# Altium PCB PCB2.PcbDoc
Units mm, origin at the board's own origin, x right, y up, seen from the top; angles counter-clockwise.
Board outline 99.06 x 99.06 mm, 2 copper layers (Top Layer, Bottom Layer); 120 components, 71 nets, 328 pads, 66 vias.
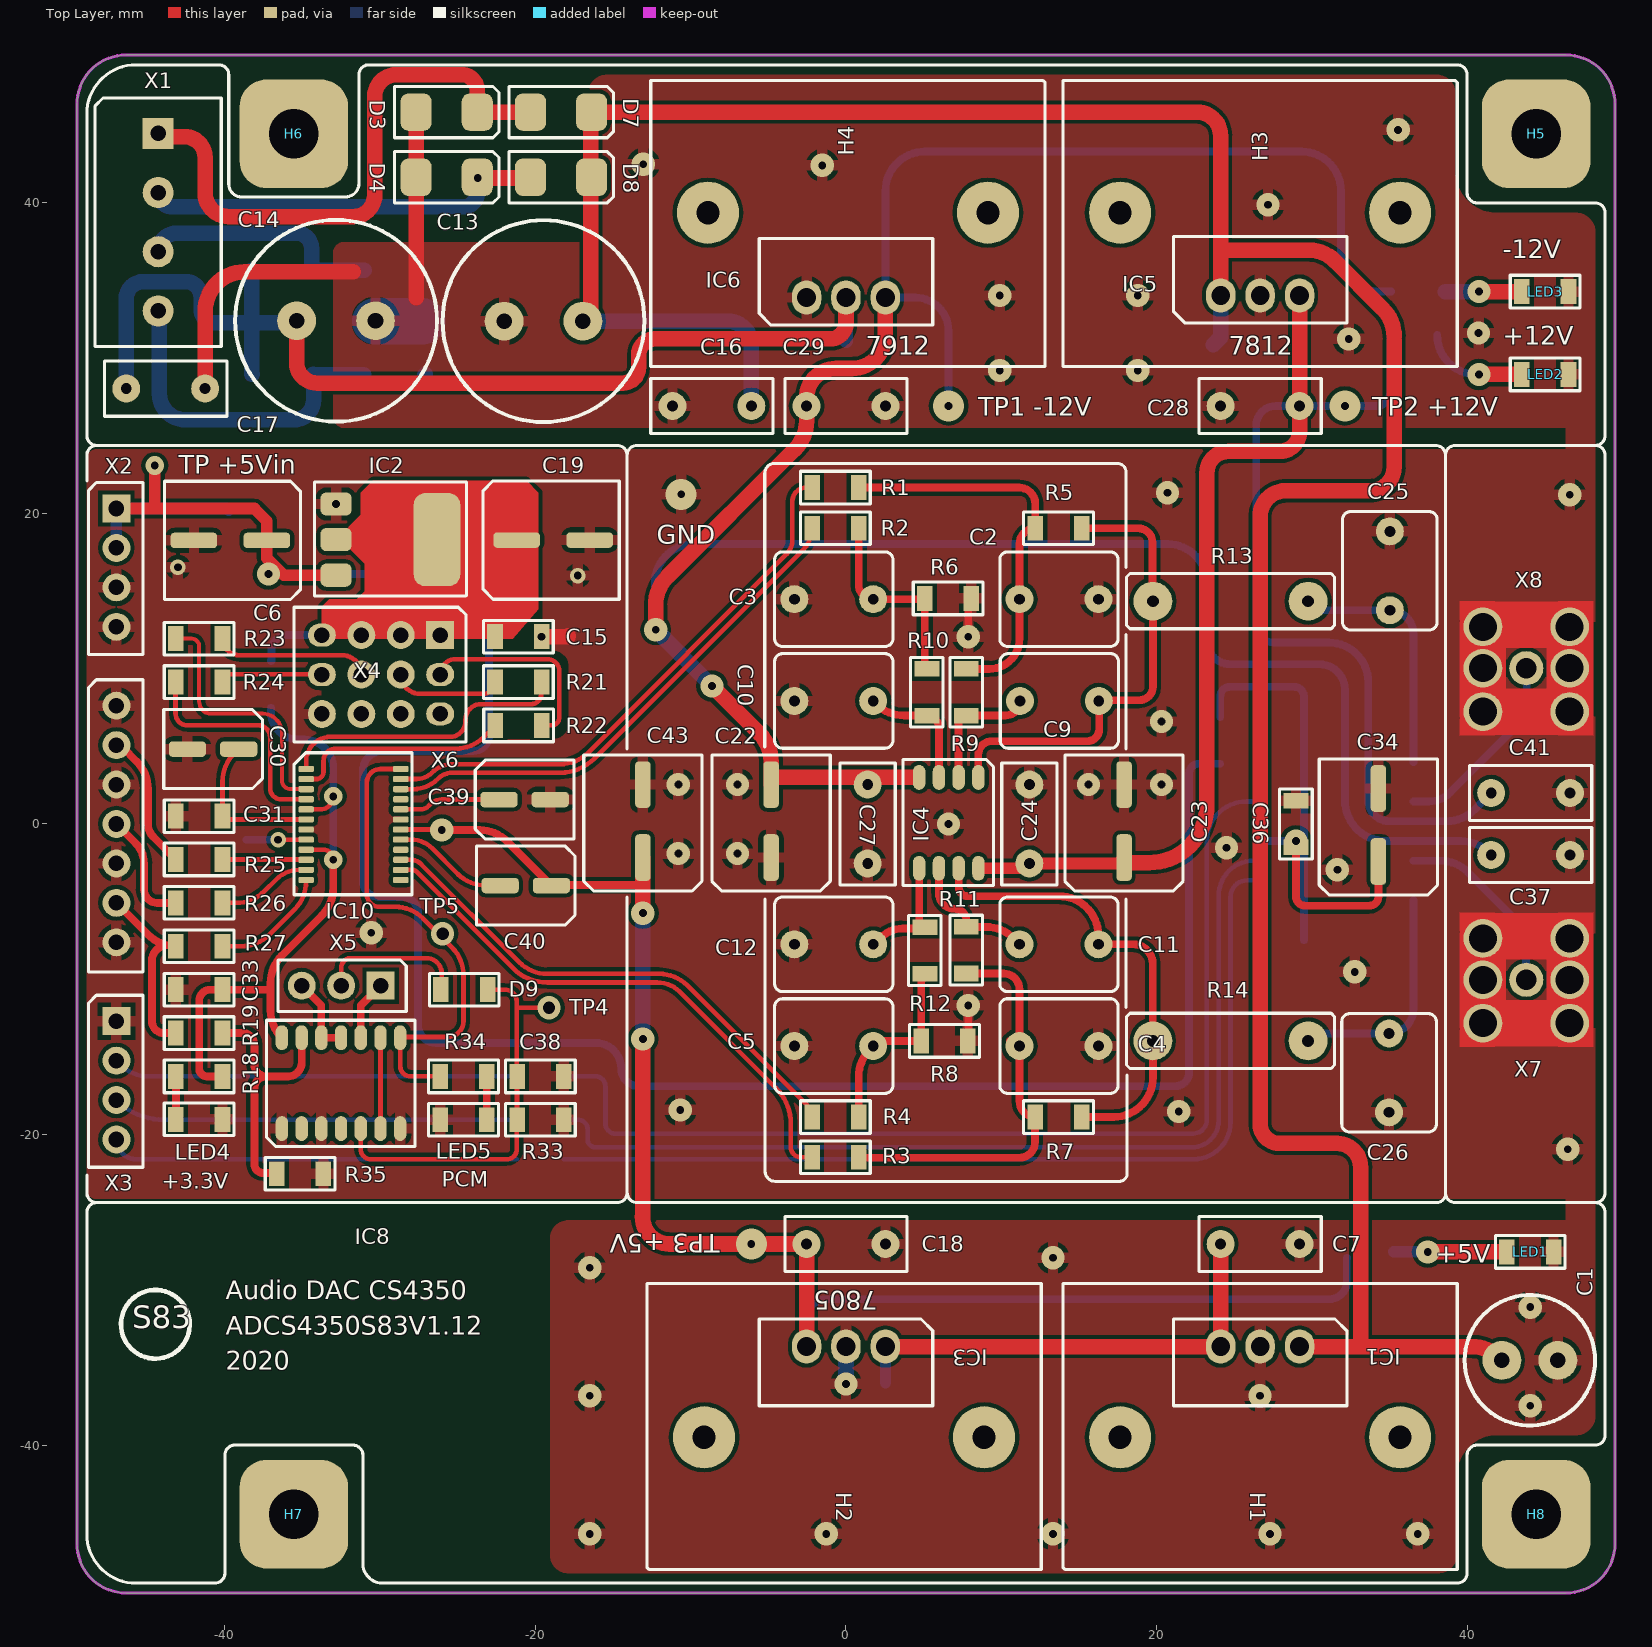
[diagram p0: Top Layer view]
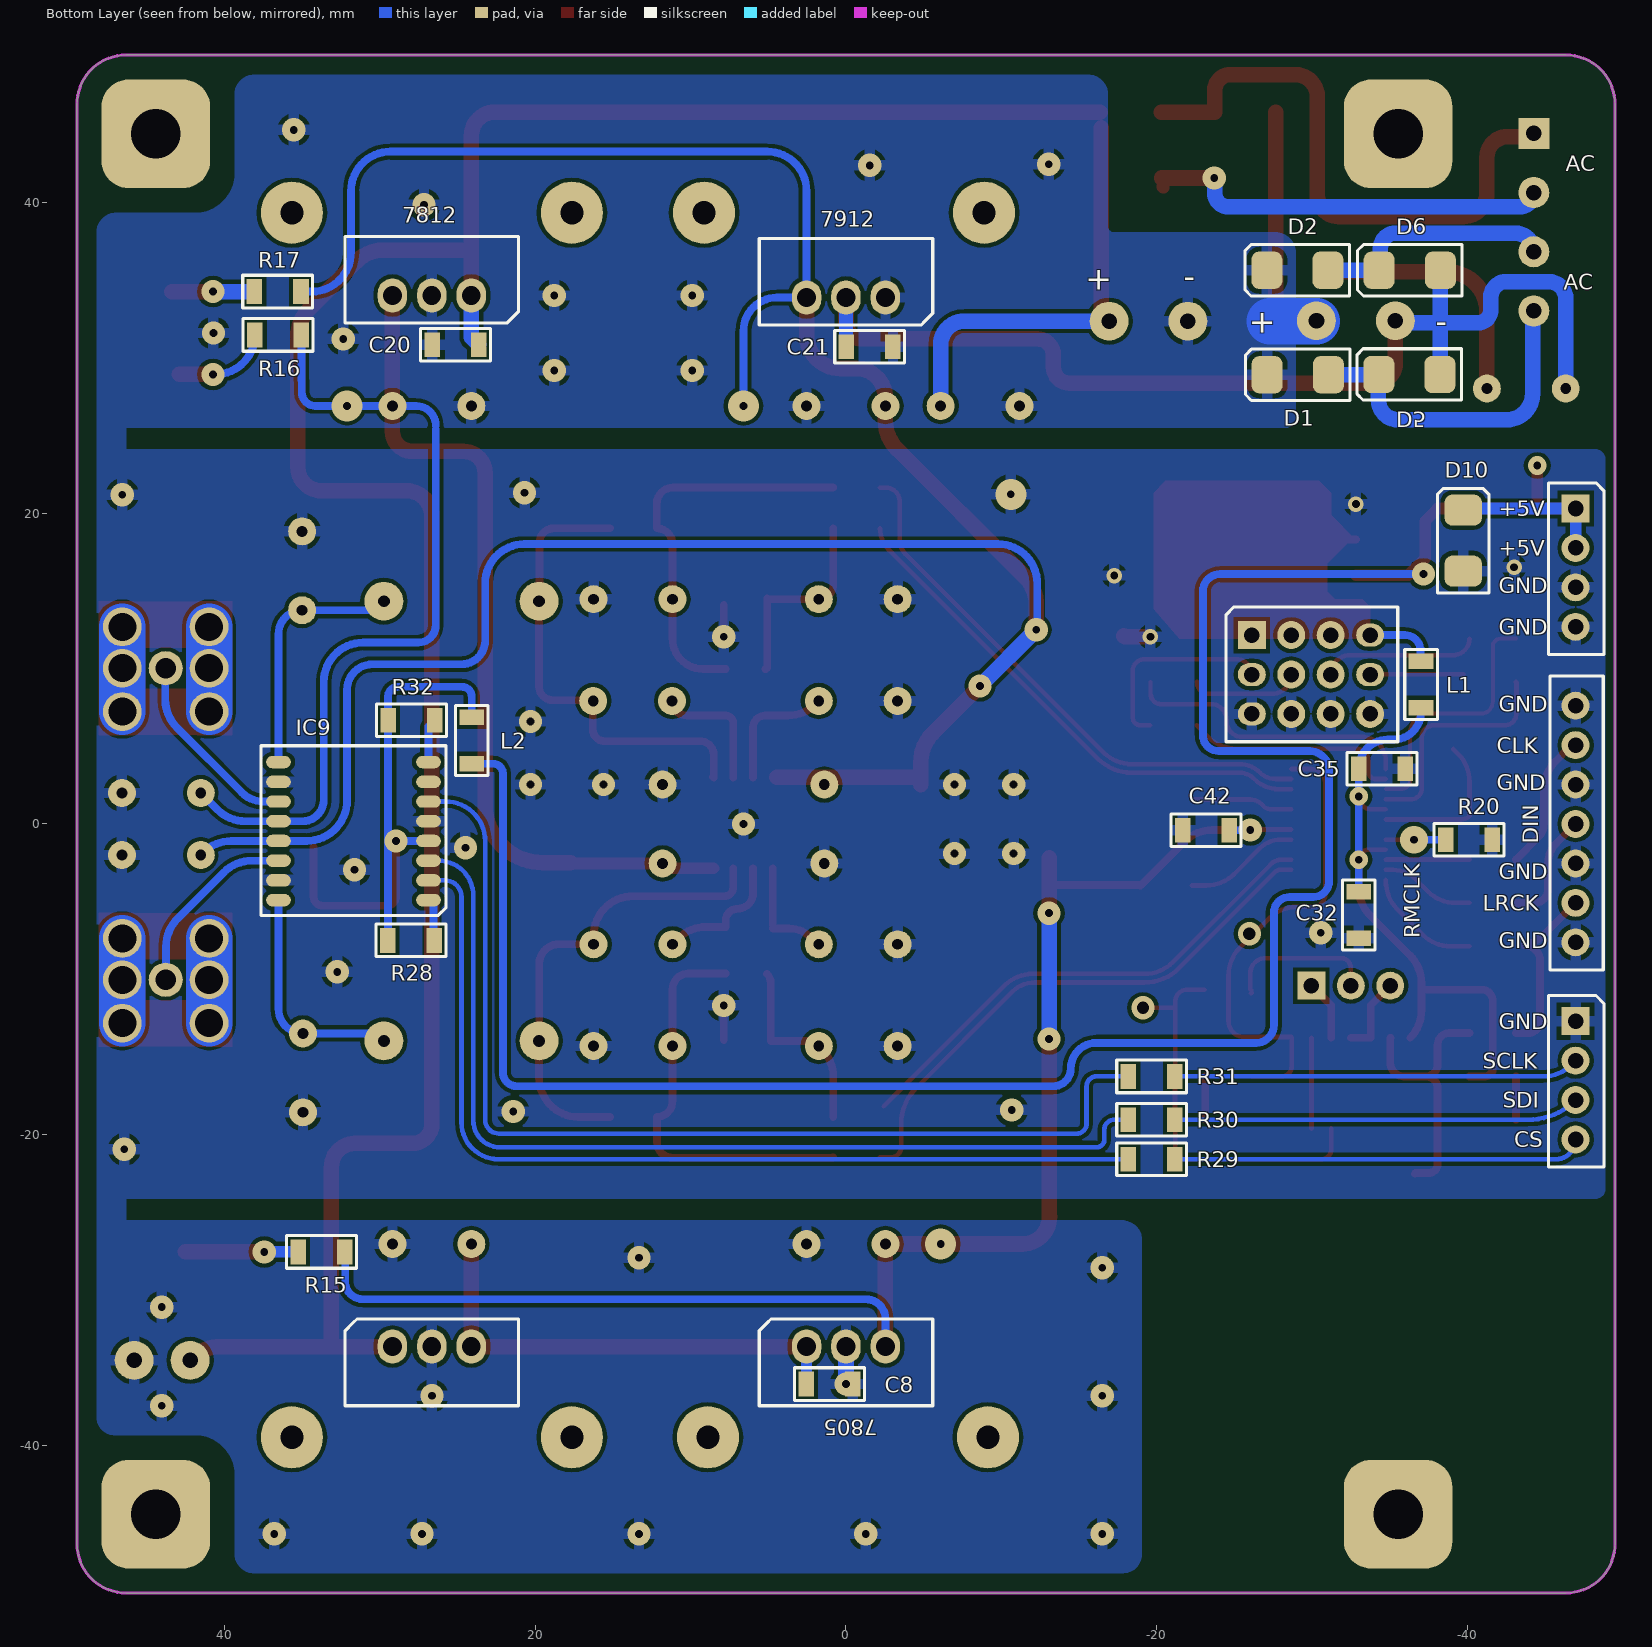
[diagram p1: Bottom Layer view, seen from below]

## Layer stack, top to bottom
Top Solder: solder mask 0.0102, Solder Resist, Dk 3.5
Top Layer: signal copper 0.0356
Dielectric 1: dielectric 0.32, FR-4, Dk 4.8
Bottom Layer: signal copper 0.0356
Bottom Solder: solder mask 0.0102, Solder Resist, Dk 3.5

## Board outline
-46.355,-49.53 46.355,-49.53 ccw(c46.355,-46.356) 49.529,-46.356 49.53,46.355 ccw(c46.355,46.355) 46.355,49.53 -46.355,49.53 ccw(c-46.355,46.355) -49.53,46.355 -49.53,-46.355 ccw(c-46.355,-46.355)

## Design rules (kind name [scope] priority, off if disabled: settings)
Clearance [All] p1: gap=0.254 ignorepadtopadclearanceinfootprint=FALSE except(0: Arc-Hole Track-Hole SMDPad-Hole THPad-Hole Via-Hole Fill-Hole Poly-Hole Region-Hole Text-Hole)
DiffPairsRouting [All] p1: maxlimit=0.254 minlimit=0.254 mostfreqgap=0.254 toplayer_minwidth=0.025 toplayer_maxwidth=0.381 toplayer_prefwidth=0.381 bottomlayer_minwidth=0.025 bottomlayer_maxwidth=0.381 bottomlayer_prefwidth=0.381 maxuncoupledlength=12.7
PlaneConnect [All] p1: planeconnectstyle=Relief reliefexpansion=0.508 reliefentries=4 reliefconductorwidth=0.5 reliefairgap=0.254
PolygonConnect [All] p1: connectstyle=Relief reliefconductorwidth=0.7 reliefentries=4 polygonreliefangle="90 Angle" airgapwidth=0.3
RoomDefinition Sheet2 [InComponentClass('Sheet2')] p1: confinementstyle=ConfineIn formatcopy=TRUE lockcomponents=FALSE outline 104.14,-51.181 113.792,-51.181 113.792,-40.513 104.14,-40.513
RoutingVias [All] p1: holewidth=0.711 width=1.27 viastyle="Through Hole" minholewidth=0.711 minwidth=1.27 maxholewidth=0.711 maxwidth=1.27
SolderMaskExpansion [All] p1: expansion=0.102 istentingtop=FALSE
Width [All] p1: maxlimit=5 minlimit=0.254 preferedwidth=0.254 minimp=50.000000 maximp=50.000000 favimp=50.000000
28 further rules are at their usual default settings.

## Classes and differential pairs
differential pair AOUTB: +AOUTB_P -AOUTB_N
differential pair AOUTA: +AOUTA_P -AOUTA_N

## Components (designator, comment, footprint, x,y, rotation, side; value= is the part's Value field where it differs from the comment)
C1 "330 мкФ 20V" "Конденсатор D=8 H=11.5" 44.047,-34.544 r0 top
C2 "3.3 нФ" "Конденсатор WIMA 4.5x7x5" 13.716,14.478 r180 top
C3 "3.3 нФ" "Конденсатор WIMA 4.5x7x5" -0.787,14.478 r180 top
C4 "3.3 нФ" "Конденсатор WIMA 4.5x7x5" 13.716,-14.3 r180 top
C5 "3.3 нФ" "Конденсатор WIMA 4.5x7x5" -0.787,-14.3 r180 top
C6 "220 мкФ 6,3В" "Конденсатор SMD Case Size D" -39.583,18.265 r90 top
C7 "0,22 мкФ 63В" "Конденсатор WIMA 3x7x7" 26.67,-27.051 r0 top
C8 "0,1 мкФ" "Конденсатор SMD Case 1206" 1.067,-36.068 r180 bottom
C9 "680 пФ" "Конденсатор WIMA 4.5x7x5" 13.741,7.925 r180 top
C10 "680 пФ" "Конденсатор WIMA 4.5x7x5" -0.787,7.925 r180 top
C11 "680 пФ" "Конденсатор WIMA 4.5x7x5" 13.716,-7.747 r180 top
C12 "680 пФ" "Конденсатор WIMA 4.5x7x5" -0.787,-7.747 r180 top
C13 "2200 мкФ 25В" "Конденсатор D=13 H=25" -19.482,32.385 r0 top
C14 "2200 мкФ 25В" "Конденсатор D=13 H=25" -32.842,32.41 r0 top
C15 "0,1 мкФ" "Конденсатор SMD Case 1206" -21.106,12.065 r0 top
C16 "0,22 мкФ 63В" "Конденсатор WIMA 3x7x7" -8.636,26.924 r180 top
C17 "0,22 мкФ 63В" "Конденсатор WIMA 3x7x7" -43.815,28.042 r0 top
C18 "0,22 мкФ 63В" "Конденсатор WIMA 3x7x7" 0,-27.051 r0 top
C19 "220 мкФ 6,3В" "Конденсатор SMD Case Size D" -18.923,18.288 r270 top
C20 "0,1 мкФ" "Конденсатор SMD Case 1206" 25.146,30.861 r0 bottom
C21 "0,1 мкФ" "Конденсатор SMD Case 1206" -1.524,30.734 r180 bottom
C22 "100 мкФ 16В" "Конденсатор SMD Case Size D" -4.826,0.127 r0 top
C23 "100 мкФ 16В" "Конденсатор SMD Case Size D" 17.907,0.127 r0 top
C24 "0,22 мкФ 63В" "Конденсатор WIMA 3x7x7" 11.811,0 r90 top
C25 "910 пФ" "Конденсатор WIMA 4.5x7x5" 35.027,16.307 r90 top
C26 "910 пФ" "Конденсатор WIMA 4.5x7x5" 34.976,-16.027 r90 top
C27 "0,22 мкФ 63В" "Конденсатор WIMA 3x7x7" 1.397,0 r270 top
C28 "0,22 мкФ 63В" "Конденсатор WIMA 3x7x7" 26.67,26.924 r180 top
C29 "0,22 мкФ 63В" "Конденсатор WIMA 3x7x7" 0,26.924 r0 top
C30 "10 мкФ 6В" "Конденсатор SMD Case Size B" -40.767,4.826 r90 top
C31 "0,1 мкФ" "Конденсатор SMD Case 1206" -41.656,0.508 r180 top
C32 "0,1 мкФ" "Конденсатор SMD Case 1206" -33.02,-5.866 r270 bottom
C33 "0,1 мкФ" "Конденсатор SMD Case 1206" -41.656,-10.668 r180 top
C34 "220 мкФ 6,3В" "Конденсатор SMD Case Size D" 34.29,-0.127 r0 top
C35 "0,1 мкФ" "Конденсатор SMD Case 1206" -34.52,3.556 r180 bottom
C36 "0,1 мкФ" "Конденсатор SMD Case 1206" 28.981,0 r90 top
C37 "0,22 мкФ 63В" "Конденсатор WIMA 3x7x7" 44.094,-2 r0 top
C38 "10 нФ" "Конденсатор SMD Case 1206" -19.685,-16.256 r0 top
C39 "10 мкФ 6В" "Конденсатор SMD Case Size B" -20.701,1.575 r270 top
C40 "10 мкФ 6В" "Конденсатор SMD Case Size B" -20.625,-3.962 r90 top
C41 "0,22 мкФ 63В" "Конденсатор WIMA 3x7x7" 44.094,2 r0 top
C42 "0,1 мкФ" "Конденсатор SMD Case 1206" -23.19,-0.406 r0 bottom
C43 "220 мкФ 6,3В" "Конденсатор SMD Case Size D" -13.081,0.127 r0 top
D1 "SS14" "Диод SS14" -29.007,35.662 r180 bottom
D2 "SS14" "Диод SS14" -29.032,28.931 r180 bottom
D3 "SS14" "Диод SS14" -25.654,45.847 r180 top
D4 "SS14" "Диод SS14" -25.654,41.656 r180 top
D5 "SS14" "Диод SS14" -36.246,35.662 r180 bottom
D6 "SS14" "Диод SS14" -36.22,28.956 r180 bottom
D7 "SS14" "Диод SS14" -18.288,45.847 r180 top
D8 "SS14" "Диод SS14" -18.288,41.656 r180 top
D9 "1N4148" "SMD 1206 Диод" -24.587,-10.668 r0 top
D10 "SS14" "Диод SS14" -39.751,18.313 r270 bottom
H1 "*" "Радиатор 02 (YA25)" 26.67,-39.116 r180 top
H2 "*" "Радиатор 02 (YA25)" -0.127,-39.116 r180 top
H3 "*" "Радиатор 02 (YA25)" 26.67,38.989 r0 top
H4 "*" "Радиатор 02 (YA25)" 0.127,38.989 r0 top
H5 "*" "Отверстие 3,2" 44.45,44.45 r0 top
H6 "*" "Отверстие 3,2" -35.56,44.45 r0 top
H7 "*" "Отверстие 3,2" -35.56,-44.45 r0 top
H8 "*" "Отверстие 3,2" 44.45,-44.45 r0 top
IC1 "LM7812CV" TO-220 26.67,-33.655 r180 top
IC2 "AMS1117-3.3V" SOT-223 -30.842,18.317 r270 top
IC3 "L7805CV" TO-220 0,-33.655 r180 top
IC4 "AD8066" SO-8 6.604,0.127 r180 top
IC5 "LM7812CV" TO-220 26.67,34.036 r0 top
IC6 "LM7912CT" TO-220 0,33.909 r0 top
IC8 "HCU04" SOIC-14 -32.512,-16.764 r0 top
IC9 "PGA2310" SOIC-16_2 31.646,-0.447 r90 bottom
IC10 "CS4350" TSSOP24 -31.75,-0.635 r270 top
L1 "10 мкГн" "SMD 1206 Индуктивность" -37.033,8.992 r270 bottom
L2 "10 мкГн" "SMD 1206 Индуктивность" 24.105,5.385 r90 bottom
LED1 "Синий" "SMD 1206 Светодиод ВАЙТ" 44.069,-27.559 r0 top
LED2 "Синий" "SMD 1206 Светодиод ВАЙТ" 45.033,28.956 r0 top
LED3 "Синий" "SMD 1206 Светодиод ВАЙТ" 45.033,34.29 r180 top
LED4 "Green" "SMD 1206 Светодиод ВАЙТ" -41.656,-19.025 r0 top
LED5 "Green" "SMD 1206 Светодиод ВАЙТ" -24.638,-19.05 r180 top
R1 "4,6 КОм" "SMD 1206 Резистор" -0.686,21.666 r0 top
R2 "4,6 КОм" "SMD 1206 Резистор" -0.686,19.05 r0 top
R3 "4,6 КОм" "SMD 1206 Резистор" -0.686,-21.463 r0 top
R4 "4,6 КОм" "SMD 1206 Резистор" -0.686,-18.872 r0 top
R5 "4,6 КОм" "SMD 1206 Резистор" 13.692,19.05 r0 top
R6 "4,6 КОм" "SMD 1206 Резистор" 6.579,14.529 r180 top
R7 "4,6 КОм" "SMD 1206 Резистор" 13.692,-18.872 r0 top
R8 "4,6 КОм" "SMD 1206 Резистор" 6.35,-13.97 r180 top
R9 "470 Ом" "SMD 1206 Резистор" 7.747,8.485 r270 top
R10 "470 Ом" "SMD 1206 Резистор" 5.207,8.485 r270 top
R11 "470 Ом" "SMD 1206 Резистор" 7.747,-8.128 r90 top
R12 "470 Ом" "SMD 1206 Резистор" 5.08,-8.152 r90 top
R13 "2,2 кОм" "Резистор МЛТ 0,125-0,25Вт" 24.765,14.351 r0 top
R14 "2,2 кОм" "Резистор МЛТ 0,125-0,25Вт" 24.765,-13.97 r0 top
R15 "1 кОм" "SMD 1206 Резистор" 33.782,-27.559 r180 bottom
R16 "1 кОм" "SMD 1206 Резистор" 36.576,31.496 r180 bottom
R17 "1 кОм" "SMD 1206 Резистор" 36.6,34.29 r180 bottom
R18 "470 Ом" "SMD 1206 Резистор" -41.656,-16.256 r0 top
R19 "47 Ом" "SMD 1206 Резистор" -41.656,-13.462 r180 top
R20 "47 кОм" "SMD 1206 Резистор" -40.132,-1.016 r0 bottom
R21 "1 кОм" "SMD 1206 Резистор" -21.106,9.144 r0 top
R22 "1 кОм" "SMD 1206 Резистор" -21.082,6.35 r180 top
R23 "1 кОм" "SMD 1206 Резистор" -41.656,11.938 r180 top
R24 "1 кОм" "SMD 1206 Резистор" -41.656,9.144 r180 top
R25 "47 Ом" "SMD 1206 Резистор" -41.656,-2.286 r0 top
R26 "47 Ом" "SMD 1206 Резистор" -41.656,-5.08 r0 top
R27 "47 Ом" "SMD 1206 Резистор" -41.656,-7.874 r0 top
R28 "1 кОм" "SMD 1206 Резистор" 28.016,-7.493 r180 bottom
R29 "47 Ом" "SMD 1206 Резистор" -19.685,-21.59 r0 bottom
R30 "47 Ом" "SMD 1206 Резистор" -19.685,-19.05 r0 bottom
R31 "47 Ом" "SMD 1206 Резистор" -19.685,-16.256 r0 bottom
R32 "1 кОм" "SMD 1206 Резистор" 27.991,6.68 r180 bottom
R33 "6.2 кОм" "SMD 1206 Резистор" -19.685,-19.05 r180 top
R34 "1 кОм" "SMD 1206 Резистор" -24.638,-16.256 r180 top
R35 "1 кОм" "SMD 1206 Резистор" -35.154,-22.53 r0 top
X1 "2.54 (4x1)" "terminal block 3.81mm 4way" -44.298,44.475 r270 top
X2 "2.54 (4x1)" "(1x4)PIN 2.54 HEADR" -47.03,15.24 r0 top
X3 "2.54 (4x1)" "(1x4)PIN 2.54 HEADR" -47.03,-17.78 r0 top
X4 "2.54 (7x1)" "(1x7) PIN 2.54 HEADER" -46.99,-2.54 r270 top
X5 "2.54 (3x1)" "(1x3)PIN 2.54 header" -32.512,-10.414 r180 top
X6 "2.54 (4x3)" "(3X4)pin 2.54 HEADER" -26.137,12.207 r270 top
X7 "SMA" SMA_01 43.815,-10.033 r0 top
X8 "SMA" SMA_01 43.815,10.033 r0 top

## Footprints (in the part's own frame and the unit in brackets; to place one, negate y for a bottom-side part, rotate by r counter-clockwise, add the part's x,y. Pads: shape width x height; smd on the part's side, far side on the other; paste and mask are expansions set on the pad)
"(1x3)PIN 2.54 header" [mm]
  rect 1.8x1.8 hole 1: 1(-2.54,0)
  round 1.8 hole 1: 2(0,0) 3(2.54,0)
  silkscreen extent -4.19,-1.65 4.06,1.65, body extent -3.81,-1.22 3.81,1.27, height 8.54
"(1x4)PIN 2.54 HEADR" [mm]
  rect 1.8x1.8 hole 1: 1(0.04,5.08)
  round 1.8 hole 1: 2(0.04,2.54) 3(0.04,0) 4(0.04,-2.54)
  silkscreen extent -1.75,-4.33 1.75,6.75, body extent -1.2,-3.81 1.28,6.35, height 8.54
"(1x7) PIN 2.54 HEADER" [mm]
  round 1.8 hole 1: 1(-10.16,0) 2(-7.62,0) 3(-5.08,0) 4(-2.54,0) 5(0,0) 6(2.54,0) 7(5.08,0)
  silkscreen extent -11.83,-1.79 7,1.71, body extent -11.39,-1.29 6.39,1.25, height 8.54
"(3X4)pin 2.54 HEADER" [mm]
  rect 1.8x1.8 hole 1: 1(0.04,0)
  oval 1.5x1.8 hole 1: 2(2.58,0) 3(5.12,0) 10(0.04,-7.62) 11(2.58,-7.62)
  round 1.8 hole 1: 4(0.04,-2.54) 5(2.58,-2.54) 6(5.12,-2.54) 7(0.04,-5.08) 8(2.58,-5.08) 9(5.12,-5.08) 12(5.12,-7.62)
  silkscreen extent -1.75,-9.41 6.93,1.67, body extent -1.2,-8.89 6.36,1.27, height 8.54
SMA_01 [mm]
  round 2.2 hole 1.3: 1(0,0)
  round 2.5 hole 1.8: 2(-2.794,-2.794) 2(-2.794,0) 2(-2.794,2.667) 2(2.794,-2.794) 2(2.794,0) 2(2.794,2.667)
  Top Layer region: 2.032,-4.318 4.318,-4.318 4.318,4.318 2.032,4.318
  Top Layer region: -4.318,-4.318 -2.032,-4.318 -2.032,4.318 -4.318,4.318
  Top Layer lines w3: -2.794,-2.794 -2.794,0 -2.794,2.667 -2.794,2.794 2.794,2.794 2.794,2.667 2.794,0 2.794,-2.794 -2.794,-2.794
  Bottom Layer lines w3: -2.794,-2.794 -2.794,0 -2.794,2.667 ; 2.794,-2.794 2.794,0 2.794,2.667
  body extent -3.17,-3.17 3.17,3.18, height 9.52
"SMD 1206 Диод" [mm]
  rect 1x1.6 smd: 1(-1.5,0) 2(1.5,0)
  silkscreen extent -2.25,-1.05 2.25,1.05, body extent -1.75,-0.73 1.75,0.73, height 1.48
"SMD 1206 Индуктивность" [mm]
  rect 1x1.6 smd: 1(-1.5,0) 2(1.5,0)
  silkscreen extent -2.25,-1.05 2.25,1.05, body extent -1.51,-0.77 1.51,0.78, height 0.7
"SMD 1206 Резистор" [mm]
  rect 1x1.6 smd: 1(-1.5,0) 2(1.5,0)
  silkscreen extent -2.25,-1.05 2.25,1.05, body extent -1.51,-0.77 1.51,0.78, height 0.55
"SMD 1206 Светодиод ВАЙТ" [mm]
  rect 1x1.6 smd: 1(-1.5,0) 2(1.5,0)
  silkscreen extent -2.25,-1.05 2.25,1.05, body extent -1.57,-0.79 1.63,0.81, height 1.1
SO-8 [mm]
  oval 0.8x1.6 smd: 1(-1.92,-2.875) 2(-0.65,-2.875) 3(0.62,-2.875) 4(1.89,-2.875) 5(1.89,2.975) 6(0.62,2.975) 7(-0.65,2.975) 8(-1.925,2.975)
  silkscreen extent -2.9,-4.02 2.92,4.1, body extent -2.49,-2.92 2.44,3.07, height 1.62
SOIC-14 [mm]
  oval 0.8x1.6 smd: 1(-3.82,-2.85) 2(-2.55,-2.85) 3(-1.28,-2.85) 4(-0.01,-2.85) 5(1.26,-2.85) 6(2.53,-2.85) 7(3.8,-2.85) 8(3.8,3) 9(2.53,3) 10(1.26,3) 11(-0.01,3) 12(-1.28,3) 13(-2.55,3) 14(-3.825,3)
  silkscreen extent -4.8,-4 4.75,4.13, body extent -4.4,-2.95 4.35,3.05, height 1.75
SOIC-16_2 [mm]
  oval 0.8x1.6 smd: 1(-4.455,-4.755) 2(-3.185,-4.755) 3(-1.915,-4.755) 4(-0.645,-4.755) 5(0.625,-4.755) 6(1.895,-4.755) 7(3.165,-4.755) 8(4.435,-4.755) 9(4.435,4.905) 10(3.165,4.905) 11(1.895,4.905) 12(0.625,4.905) 13(-0.645,4.905) 14(-1.915,4.905) 15(-3.185,4.905) 16(-4.46,4.905)
  silkscreen extent -5.44,-5.89 5.49,6.03, body extent -5.25,-5.26 5.25,5.37, height 2.72
SOT-223 [mm]
  rrect50% 1.5x2 smd: 1(-2.29,-2) 2(0,-2) 3(2.29,-2)
  rrect50% 6x3 smd: 4(0,4.5)
  silkscreen extent -3.7,-3.4 3.62,6.4, body extent -3.25,-2.25 3.25,4.75, height 1.66
"terminal block 3.81mm 4way" [mm]
  rect 2x2 hole 1: 1(0,0)
  round 2 hole 1: 2(3.81,0) 3(7.62,0) 4(11.43,0)
  silkscreen extent -2.29,-4.06 13.72,4.06, body extent -1.91,-3.62 13.33,3.68, height 8.5
TO-220 [mm]
  oval 1.9x2.2 hole 1.2: 1(-2.54,0) 2(0,0) 3(2.54,0)
  silkscreen extent -5.59,-1.78 5.59,3.81, body extent -5.08,-1.27 5.08,3.3, height 18.54
TSSOP24 [mm]
  rrect50% 0.4x1 smd: 1(-4.179,-3.021) 2(-3.529,-3.021) 3(-2.879,-3.021) 4(-2.229,-3.021) 5(-1.579,-3.021) 6(-0.929,-3.021) 7(-0.279,-3.021) 8(0.371,-3.021) 9(1.021,-3.021) 10(1.671,-3.021) 11(2.321,-3.021) 12(2.971,-3.021) 13(2.971,3.075) 14(2.321,3.075) 15(1.671,3.075) 16(1.021,3.075) 17(0.371,3.075) 18(-0.279,3.075) 19(-0.929,3.075) 20(-1.579,3.075) 21(-2.229,3.075) 22(-2.879,3.075) 23(-3.529,3.075) 24(-4.179,3.075)
  silkscreen extent -5.22,-3.81 3.92,3.81, body extent -4.55,-3.2 3.34,3.2, height 1.23
"Диод SS14" [mm]
  rrect50% 2x2.4 smd: 1(2.032,0) 2(-1.905,0)
  silkscreen extent -3.3,-1.65 3.43,1.65, body extent -2.53,-1.36 2.53,1.36, height 2.5
"Конденсатор D=8 H=11.5" [mm]
  round 2.5 hole 1: 1(-1.8,0) 2(1.8,0)
  silkscreen extent -4.2,-4.2 4.2,4.2, body extent -4,-4 4,4, height 11.5
"Конденсатор D=13 H=25" [mm]
  round 2.5 hole 1: 1(2.54,0) 2(-2.54,0)
  silkscreen extent -6.5,-6.5 6.5,6.5, body extent -6.5,-6.45 6.5,6.55, height 25
"Конденсатор SMD Case 1206" [mm]
  rect 1x1.6 smd: 1(-1.5,0) 2(1.5,0)
  silkscreen extent -2.25,-1.05 2.25,1.05, body extent -1.6,-0.8 1.6,0.8, height 0.94
"Конденсатор SMD Case Size B" [mm]
  rrect50% 1x2.4 smd: 1(0,-1.651) 2(0,1.651)
  silkscreen extent -2.54,-3.17 2.54,3.17, body extent -2.15,-2.3 2.15,2.3, height 5.41
"Конденсатор SMD Case Size D" [mm]
  rrect50% 1x3 smd: 1(0,-2.286) 2(0,2.413)
  silkscreen extent -3.81,-4.44 3.81,4.32, body extent -3.3,-3.5 3.3,3.5, height 5.41
"Конденсатор WIMA 3x7x7" [mm]
  round 1.8 hole 0.7: 1(-2.54,0) 2(2.54,0)
  silkscreen extent -3.94,-1.78 3.94,1.78, body extent -3.6,-1.5 3.6,1.5, height 7.25
"Конденсатор WIMA 4.5x7x5" [mm]
  round 1.8 hole 0.7: 1(-2.54,0) 2(2.54,0)
  silkscreen extent -3.81,-3.05 3.81,3.05, body extent -3.45,-2.54 3.55,2.54, height 5
"Отверстие 3,2" [mm]
  rrect50% 7x7 hole 3.2: 1(0,0)
"Радиатор 02 (YA25)" [mm]
  round 4 hole 1.5: 1(-9.017,0.381) 2(9.017,0.381)
  silkscreen extent -12.7,-9.53 12.7,8.89, body extent -11.75,-8.68 11.75,8.32, height 25
"Резистор МЛТ 0,125-0,25Вт" [mm]
  round 2.5 hole 0.762: 1(-5,0) 2(5,0)
  silkscreen extent -6.7,-1.78 6.7,1.78, body extent -5.31,-1.3 5.19,1.3, height 3.67

## Part data
C1: library part Конденсатор, Case=8x15
C2 C3 C4 C5 C9 C10 C11 C12 C25 C26: library part Конденсатор, Case=4.5x7x5
C6 C19 C22 C23 C34 C43: library part Конденсатор, Case="SMD Size D"
C7 C16 C17 C18 C24 C27 C28 C29 C37 C41: library part Конденсатор, Case=3x7x7
C8 C15 C20 C21 C31 C32 C33 C35 C36 C38 C42: library part Конденсатор, Case="SMD 1206"
C13 C14: library part Конденсатор, Case=13x25
C30 C39 C40: library part Конденсатор, Case="SMD Size B"
D1 D2 D3 D4 D5 D6 D7 D8 D10: library part Диод, Case=SMA/DO-214AC
D9: library part Диод, Case="SMD 1206"
H1 H2 H3 H4: library part Радиатор
H5 H6 H7 H8: library part "Отверстие монтажное"
IC1 IC3 IC5: library part LM7805, Case=TO-220
IC2: library part AMS1117, Case=SOT-223-4
IC4: Case=SOIC-14
IC6: library part LM7905, Case=TO220
IC8: library part IN74AC04D, Case=SOIC-14
IC9: library part PGA2310UA, Case=SOIC-16
IC10: Case=TSSOP24
L1 L2: library part "Inductor 10uH (100)", Case="SMD 1206"
LED1 LED2 LED3 LED4 LED5: library part Светодиод, Case="SMD 1206"
R1 R2 R3 R4 R5 R6 R7 R8 R9 R10 R11 R12: library part Резистор, Case="MELF 0204"
R13 R14: library part Резистор, Case="0,125 Вт"
R15 R16 R17 R18 R19 R20 R21 R22 R23 R24 R25 R26 R27 R28 R29 R30 R31 R32 R33 R34 R35: library part Резистор, Case="SMD 1206"
X1: library part "Terminal block 3.81mm 4way", Case="2.54 папа"
X2 X3: library part "(1x4)pin 2.54 Header", Case="2.54 папа"
X4: library part "(1x7) pin 2.54 Header", Case="2.54 папа"
X5: library part "(1x3)pin 2.54 Header", Case="2.54 папа"
X6: library part "(3x4)pin 2.54 Header", Case="2.54 папа"
X7 X8: library part SMA_01, Case="SMA мама"

## Via types
v1: diameter 1.5, hole 0.5, Top Layer to Bottom Layer, tented both sides, 51 vias
v2: diameter 2, hole 0.5, Top Layer to Bottom Layer, tented bottom, 4 vias
v3: diameter 1.2, hole 0.5, Top Layer to Bottom Layer, tented both sides, 2 vias
v4: diameter 1, hole 0.5, Top Layer to Bottom Layer, tented bottom, 2 vias
v5: diameter 1, hole 0.5, Top Layer to Bottom Layer, tented both sides, 2 vias
v6: diameter 1.5, hole 0.8, Top Layer to Bottom Layer, 2 vias
v7: diameter 1.5, hole 0.5, Top Layer to Bottom Layer, tented bottom, 1 vias
v8: diameter 1/1.8 (per signal layer), hole 0.5, Top Layer to Bottom Layer, tented top, 1 vias
v9: diameter 1.2, hole 0.5, Top Layer to Bottom Layer, 1 vias
